# Altium PCB Flow_Pump.PcbDoc (part 3 of 5) (continued)
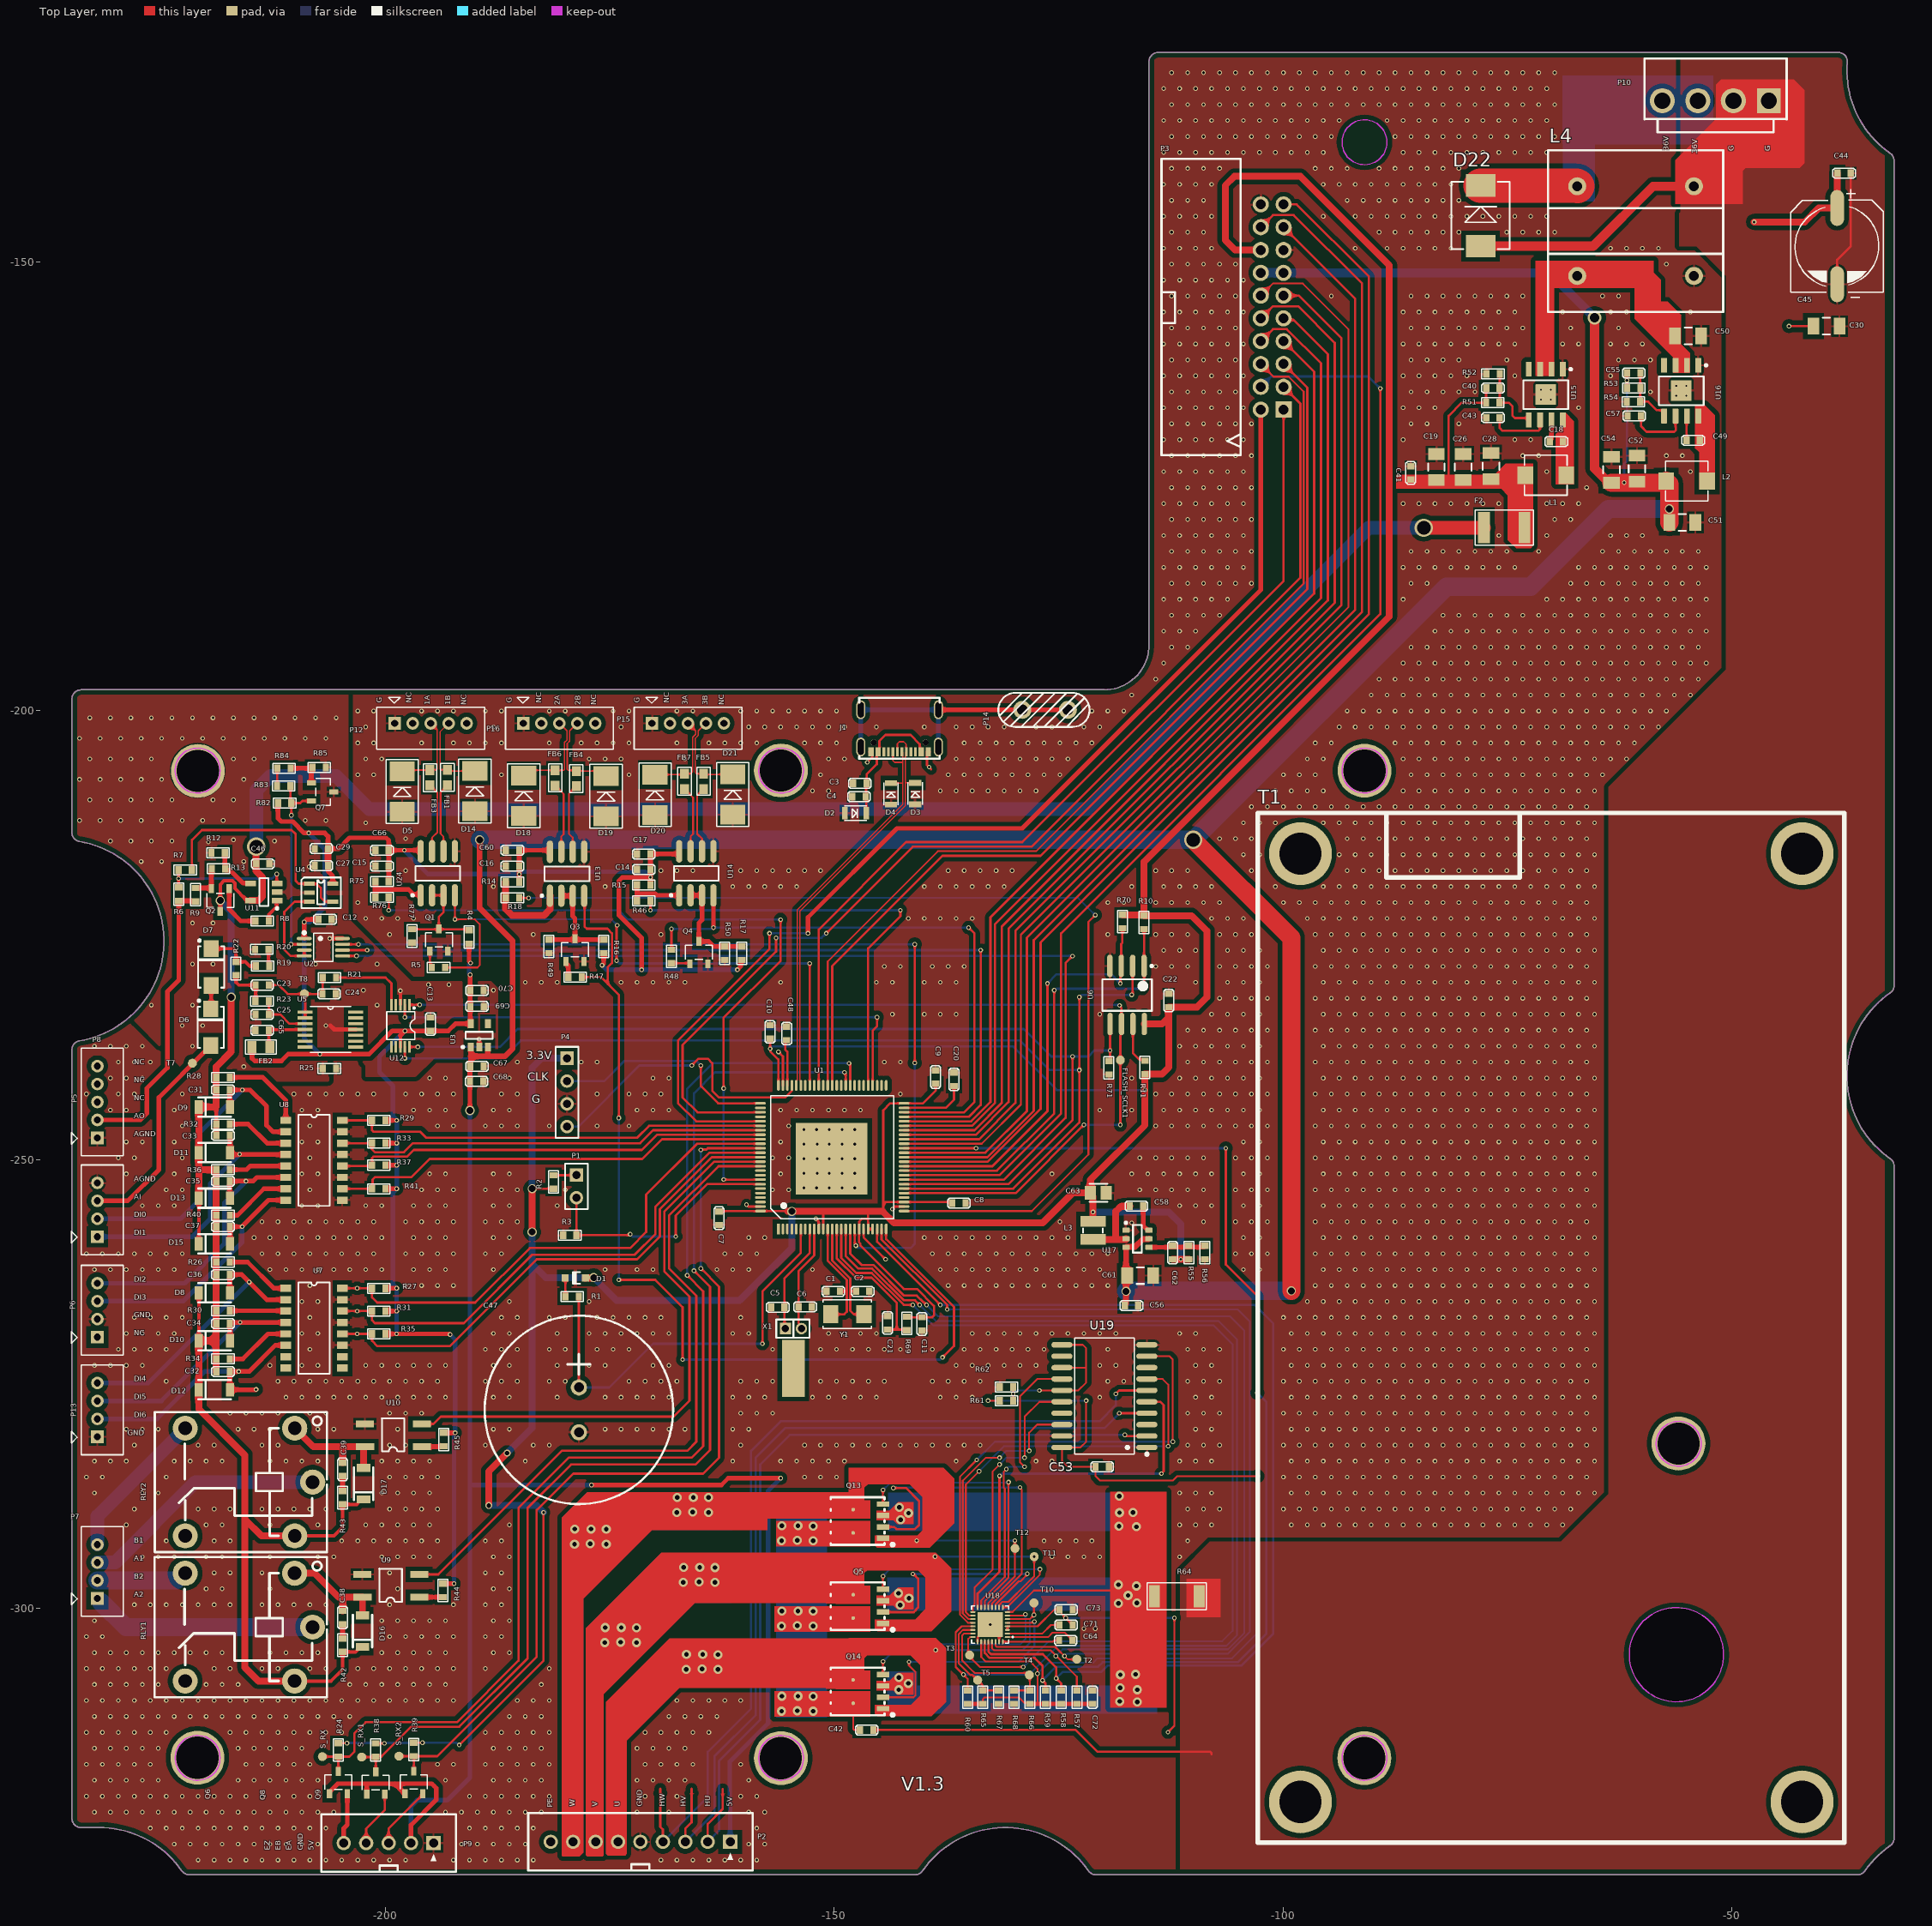
[diagram p0: Top Layer view]
## Nets (pads, with @x,y where several pads share a name; then routed paths per layer and width w, separated by ;. In a path a pad name is that pad's centre, name@x,y a point inside that pad or via, vN(x,y) a via of type N, cw(c..) or ccw(c..) an arc to the next point about the centre after c; other vN are vias at no path point) (continued)
-126.619,-260.477 -124.841,-260.477 -123.063,-260.477 -121.285,-260.477 -119.507,-260.477 -105.283,-260.477 -103.505,-260.477 -101.727,-260.477 -96.393,-260.477 -94.615,-260.477 -92.837,-260.477 -91.059,-260.477 -89.281,-260.477 -87.503,-260.477 -85.725,-260.477 -83.947,-260.477 -82.169,-260.477 -80.391,-260.477 -78.613,-260.477 -76.835,-260.477 -75.057,-260.477 -73.279,-260.477 -71.501,-260.477 -69.723,-260.477 -67.945,-260.477 -66.167,-260.477 -214.63,-258.699 -212.852,-258.699 -211.074,-258.699 -209.296,-258.699 -207.518,-258.699 -205.74,-258.699 -203.962,-258.699 -202.184,-258.699 -200.406,-258.699 -196.85,-258.699 -195.072,-258.699 -193.294,-258.699 -187.96,-258.699 -186.182,-258.699 -159.512,-258.699 -157.734,-258.699 -139.954,-258.699 -138.176,-258.699 -136.398,-258.699 -134.62,-258.699 -132.842,-258.699 -131.064,-258.699 -129.286,-258.699 -127.508,-258.699 -125.73,-258.699 -123.952,-258.699 -104.394,-258.699 -102.616,-258.699 -95.504,-258.699 -93.726,-258.699 -91.948,-258.699 -90.17,-258.699 -88.392,-258.699 -86.614,-258.699 -84.836,-258.699 -83.058,-258.699 -81.28,-258.699 -79.502,-258.699 -77.724,-258.699 -75.946,-258.699 -74.168,-258.699 -72.39,-258.699 -70.612,-258.699 -68.834,-258.699 -67.056,-258.699 -65.278,-258.699 -116.84,-257.048 -213.741,-256.921 -211.963,-256.921 -210.185,-256.921 -208.407,-256.921 -206.629,-256.921 -204.851,-256.921 -203.073,-256.921 -201.295,-256.921 -197.739,-256.921 -195.961,-256.921 -194.183,-256.921 -192.405,-256.921 -188.849,-256.921 -187.071,-256.921 -185.293,-256.921 -124.841,-256.921 -108.839,-256.921 -105.283,-256.921 -103.505,-256.921 -101.727,-256.921 -96.393,-256.921 -94.615,-256.921 -92.837,-256.921 -91.059,-256.921 -89.281,-256.921 -87.503,-256.921 -85.725,-256.921 -83.947,-256.921 -82.169,-256.921 -80.391,-256.921 -78.613,-256.921 -76.835,-256.921 -75.057,-256.921 -73.279,-256.921 -71.501,-256.921 -69.723,-256.921 -67.945,-256.921 -66.167,-256.921 -227.076,-255.143 -225.298,-255.143 -223.52,-255.143 -209.296,-255.143 -207.518,-255.143 -202.184,-255.143 -200.406,-255.143 -196.85,-255.143 -195.072,-255.143 -193.294,-255.143 -187.96,-255.143 -186.182,-255.143 -180.848,-255.143 -111.506,-255.143 -109.728,-255.143 -107.95,-255.143 -104.394,-255.143 -102.616,-255.143 -95.504,-255.143 -93.726,-255.143 -91.948,-255.143 -90.17,-255.143 -88.392,-255.143 -86.614,-255.143 -84.836,-255.143 -83.058,-255.143 -81.28,-255.143 -79.502,-255.143 -77.724,-255.143 -75.946,-255.143 -74.168,-255.143 -72.39,-255.143 -70.612,-255.143 -68.834,-255.143 -67.056,-255.143 -65.278,-255.143 -224.409,-253.365 -222.631,-253.365 -208.407,-253.365 -195.961,-253.365 -194.183,-253.365 -192.405,-253.365 -188.849,-253.365 -187.071,-253.365 -185.293,-253.365 -179.959,-253.365 -156.845,-253.365 -155.067,-253.365 -115.951,-253.365 -114.173,-253.365 -112.395,-253.365 -110.617,-253.365 -108.839,-253.365 -105.283,-253.365 -103.505,-253.365 -101.727,-253.365 -96.393,-253.365 -94.615,-253.365 -92.837,-253.365 -91.059,-253.365 -89.281,-253.365 -87.503,-253.365 -85.725,-253.365 -83.947,-253.365 -82.169,-253.365 -80.391,-253.365 -78.613,-253.365 -76.835,-253.365 -75.057,-253.365 -73.279,-253.365 -71.501,-253.365 -69.723,-253.365 -67.945,-253.365 -66.167,-253.365 -228.854,-251.587 -223.52,-251.587 -209.296,-251.587 -207.518,-251.587 -195.072,-251.587 -193.294,-251.587 -187.96,-251.587 -186.182,-251.587 -155.956,-251.587 -125.73,-251.587 -116.84,-251.587 -115.062,-251.587 -113.284,-251.587 -111.506,-251.587 -109.728,-251.587 -107.95,-251.587 -104.394,-251.587 -102.616,-251.587 -95.504,-251.587 -93.726,-251.587 -91.948,-251.587 -90.17,-251.587 -88.392,-251.587 -86.614,-251.587 -84.836,-251.587 -83.058,-251.587 -81.28,-251.587 -79.502,-251.587 -77.724,-251.587 -75.946,-251.587 -74.168,-251.587 -72.39,-251.587 -70.612,-251.587 -68.834,-251.587 -67.056,-251.587 -65.278,-251.587 -229.743,-249.809 -227.965,-249.809 -222.631,-249.809 -208.407,-249.809 -156.845,-249.809 -155.067,-249.809 -115.951,-249.809 -114.173,-249.809 -112.395,-249.809 -110.617,-249.809 -108.839,-249.809 -105.283,-249.809 -103.505,-249.809 -101.727,-249.809 -96.393,-249.809 -94.615,-249.809 -92.837,-249.809 -91.059,-249.809 -89.281,-249.809 -87.503,-249.809 -85.725,-249.809 -83.947,-249.809 -82.169,-249.809 -80.391,-249.809 -78.613,-249.809 -76.835,-249.809 -75.057,-249.809 -73.279,-249.809 -71.501,-249.809 -69.723,-249.809 -67.945,-249.809 -66.167,-249.809 -228.854,-248.031 -227.076,-248.031 -223.52,-248.031 -209.296,-248.031 -207.518,-248.031 -155.956,-248.031 -104.394,-248.031 -102.616,-248.031 -95.504,-248.031 -93.726,-248.031 -91.948,-248.031 -90.17,-248.031 -88.392,-248.031 -86.614,-248.031 -84.836,-248.031 -83.058,-248.031 -81.28,-248.031 -79.502,-248.031 -77.724,-248.031 -75.946,-248.031 -74.168,-248.031 -72.39,-248.031 -70.612,-248.031 -68.834,-248.031 -67.056,-248.031 -65.278,-248.031 -222.631,-246.253 -208.407,-246.253 -194.183,-246.253 -192.405,-246.253 -188.849,-246.253 -187.071,-246.253 -185.293,-246.253 -181.737,-246.253 -176.403,-246.253 -172.847,-246.253 -155.067,-246.253 -114.173,-246.253 -112.395,-246.253 -110.617,-246.253 -108.839,-246.253 -107.061,-246.253 -105.283,-246.253 -103.505,-246.253 -101.727,-246.253 -96.393,-246.253 -94.615,-246.253 -92.837,-246.253 -91.059,-246.253 -89.281,-246.253 -87.503,-246.253 -85.725,-246.253 -83.947,-246.253 -82.169,-246.253 -80.391,-246.253 -78.613,-246.253 -76.835,-246.253 -75.057,-246.253 -73.279,-246.253 -71.501,-246.253 -69.723,-246.253 -67.945,-246.253 -66.167,-246.253 -230.632,-244.475 -228.854,-244.475 -223.52,-244.475 -209.296,-244.475 -207.518,-244.475 -196.85,-244.475 -195.072,-244.475 -193.294,-244.475 -187.96,-244.475 -186.182,-244.475 -171.958,-244.475 -170.18,-244.475 -168.402,-244.475 -155.956,-244.475 -154.178,-244.475 -152.4,-244.475 -150.622,-244.475 -148.844,-244.475 -147.066,-244.475 -120.396,-244.475 -116.84,-244.475 -113.284,-244.475 -111.506,-244.475 -109.728,-244.475 -107.95,-244.475 -106.172,-244.475 -104.394,-244.475 -102.616,-244.475 -95.504,-244.475 -93.726,-244.475 -91.948,-244.475 -90.17,-244.475 -88.392,-244.475 -86.614,-244.475 -84.836,-244.475 -83.058,-244.475 -81.28,-244.475 -79.502,-244.475 -77.724,-244.475 -75.946,-244.475 -74.168,-244.475 -72.39,-244.475 -70.612,-244.475 -68.834,-244.475 -67.056,-244.475 -65.278,-244.475 -233.299,-242.697 -229.743,-242.697 -227.965,-242.697 -222.631,-242.697 -210.185,-242.697 -208.407,-242.697 -206.629,-242.697 -204.851,-242.697 -203.073,-242.697 -201.295,-242.697 -197.739,-242.697 -195.961,-242.697 -194.183,-242.697 -192.405,-242.697 -187.071,-242.697 -185.293,-242.697 -176.403,-242.697 -172.847,-242.697 -171.069,-242.697 -169.291,-242.697 -142.621,-242.697 -114.173,-242.697 -112.395,-242.697 -110.617,-242.697 -108.839,-242.697 -107.061,-242.697 -105.283,-242.697 -103.505,-242.697 -101.727,-242.697 -96.393,-242.697 -94.615,-242.697 -92.837,-242.697 -91.059,-242.697 -89.281,-242.697 -87.503,-242.697 -85.725,-242.697 -83.947,-242.697 -82.169,-242.697 -80.391,-242.697 -78.613,-242.697 -76.835,-242.697 -75.057,-242.697 -73.279,-242.697 -71.501,-242.697 -69.723,-242.697 -67.945,-242.697 -66.167,-242.697 -230.632,-240.919 -228.854,-240.919 -227.076,-240.919 -195.072,-240.919 -193.294,-240.919 -186.182,-240.919 -170.18,-240.919 -168.402,-240.919 -116.84,-240.919 -111.506,-240.919 -109.728,-240.919 -107.95,-240.919 -106.172,-240.919 -104.394,-240.919 -102.616,-240.919 -95.504,-240.919 -93.726,-240.919 -91.948,-240.919 -90.17,-240.919 -88.392,-240.919 -86.614,-240.919 -84.836,-240.919 -83.058,-240.919 -81.28,-240.919 -79.502,-240.919 -77.724,-240.919 -75.946,-240.919 -74.168,-240.919 -72.39,-240.919 -70.612,-240.919 -68.834,-240.919 -67.056,-240.919 -65.278,-240.919 -229.743,-239.141 -227.965,-239.141 -226.187,-239.141 -185.293,-239.141 -178.181,-239.141 -176.403,-239.141 -144.399,-239.141 -142.621,-239.141 -110.617,-239.141 -108.839,-239.141 -107.061,-239.141 -105.283,-239.141 -103.505,-239.141 -101.727,-239.141 -96.393,-239.141 -94.615,-239.141 -92.837,-239.141 -91.059,-239.141 -89.281,-239.141 -87.503,-239.141 -85.725,-239.141 -83.947,-239.141 -82.169,-239.141 -80.391,-239.141 -78.613,-239.141 -76.835,-239.141 -75.057,-239.141 -73.279,-239.141 -71.501,-239.141 -69.723,-239.141 -67.945,-239.141 -66.167,-239.141 -232.41,-237.363 -230.632,-237.363 -228.854,-237.363 -227.076,-237.363 -111.506,-237.363 -109.728,-237.363 -107.95,-237.363 -106.172,-237.363 -104.394,-237.363 -102.616,-237.363 -95.504,-237.363 -93.726,-237.363 -91.948,-237.363 -90.17,-237.363 -88.392,-237.363 -86.614,-237.363 -84.836,-237.363 -83.058,-237.363 -81.28,-237.363 -79.502,-237.363 -77.724,-237.363 -75.946,-237.363 -74.168,-237.363 -72.39,-237.363 -70.612,-237.363 -68.834,-237.363 -67.056,-237.363 -65.278,-237.363 -110.617,-235.585 -108.839,-235.585 -107.061,-235.585 -105.283,-235.585 -103.505,-235.585 -101.727,-235.585 -96.393,-235.585 -94.615,-235.585 -92.837,-235.585 -91.059,-235.585 -89.281,-235.585 -87.503,-235.585 -85.725,-235.585 -83.947,-235.585 -82.169,-235.585 -80.391,-235.585 -78.613,-235.585 -76.835,-235.585 -75.057,-235.585 -73.279,-235.585 -71.501,-235.585 -69.723,-235.585 -67.945,-235.585 -66.167,-235.585 -143.51,-233.807 -139.954,-233.807 -138.176,-233.807 -136.398,-233.807 -120.396,-233.807 -107.95,-233.807 -106.172,-233.807 -104.394,-233.807 -102.616,-233.807 -95.504,-233.807 -93.726,-233.807 -91.948,-233.807 -90.17,-233.807 -88.392,-233.807 -86.614,-233.807 -84.836,-233.807 -83.058,-233.807 -81.28,-233.807 -79.502,-233.807 -77.724,-233.807 -75.946,-233.807 -74.168,-233.807 -72.39,-233.807 -70.612,-233.807 -68.834,-233.807 -67.056,-233.807 -65.278,-233.807 -107.061,-232.029 -105.283,-232.029 -103.505,-232.029 -101.727,-232.029 -96.393,-232.029 -94.615,-232.029 -92.837,-232.029 -91.059,-232.029 -89.281,-232.029 -87.503,-232.029 -85.725,-232.029 -83.947,-232.029 -82.169,-232.029 -80.391,-232.029 -78.613,-232.029 -76.835,-232.029 -75.057,-232.029 -73.279,-232.029 -71.501,-232.029 -69.723,-232.029 -67.945,-232.029 -66.167,-232.029 -184.404,-230.251 -182.626,-230.251 -180.848,-230.251 -173.736,-230.251 -171.958,-230.251 -170.18,-230.251 -168.402,-230.251 -166.624,-230.251 -155.956,-230.251 -145.288,-230.251 -143.51,-230.251 -139.954,-230.251 -138.176,-230.251 -136.398,-230.251 -109.728,-230.251 -106.172,-230.251 -104.394,-230.251 -102.616,-230.251 -95.504,-230.251 -93.726,-230.251 -91.948,-230.251 -90.17,-230.251 -88.392,-230.251 -86.614,-230.251 -84.836,-230.251 -83.058,-230.251 -81.28,-230.251 -79.502,-230.251 -77.724,-230.251 -75.946,-230.251 -74.168,-230.251 -72.39,-230.251 -70.612,-230.251 -68.834,-230.251 -67.056,-230.251 -65.278,-230.251 -144.399,-228.473 -142.621,-228.473 -139.065,-228.473 -137.287,-228.473 -135.509,-228.473 -114.173,-228.473 -112.395,-228.473 -110.617,-228.473 -107.061,-228.473 -105.283,-228.473 -103.505,-228.473 -101.727,-228.473 -96.393,-228.473 -94.615,-228.473 -92.837,-228.473 -91.059,-228.473 -89.281,-228.473 -87.503,-228.473 -85.725,-228.473 -83.947,-228.473 -82.169,-228.473 -80.391,-228.473 -78.613,-228.473 -76.835,-228.473 -75.057,-228.473 -73.279,-228.473 -71.501,-228.473 -69.723,-228.473 -67.945,-228.473 -66.167,-228.473 -113.284,-226.695 -111.506,-226.695 -109.728,-226.695 -106.172,-226.695 -104.394,-226.695 -102.616,-226.695 -95.504,-226.695 -93.726,-226.695 -91.948,-226.695 -90.17,-226.695 -88.392,-226.695 -86.614,-226.695 -84.836,-226.695 -83.058,-226.695 -81.28,-226.695 -79.502,-226.695 -77.724,-226.695 -75.946,-226.695 -74.168,-226.695 -72.39,-226.695 -70.612,-226.695 -68.834,-226.695 -67.056,-226.695 -65.278,-226.695 -199.517,-224.917 -183.515,-224.917 -169.291,-224.917 -119.507,-224.917 -114.173,-224.917 -112.395,-224.917 -110.617,-224.917 -107.061,-224.917 -105.283,-224.917 -103.505,-224.917 -96.393,-224.917 -94.615,-224.917 -92.837,-224.917 -91.059,-224.917 -89.281,-224.917 -87.503,-224.917 -85.725,-224.917 -83.947,-224.917 -82.169,-224.917 -80.391,-224.917 -78.613,-224.917 -76.835,-224.917 -75.057,-224.917 -73.279,-224.917 -71.501,-224.917 -69.723,-224.917 -67.945,-224.917 -66.167,-224.917 -202.184,-223.139 -200.406,-223.139 -198.628,-223.139 -196.85,-223.139 -195.072,-223.139 -141.732,-223.139 -139.954,-223.139 -138.176,-223.139 -136.398,-223.139 -134.62,-223.139 -107.95,-223.139 -106.172,-223.139 -104.394,-223.139 -97.282,-223.139 -95.504,-223.139 -93.726,-223.139 -91.948,-223.139 -90.17,-223.139 -88.392,-223.139 -86.614,-223.139 -84.836,-223.139 -83.058,-223.139 -81.28,-223.139 -79.502,-223.139 -77.724,-223.139 -75.946,-223.139 -74.168,-223.139 -72.39,-223.139 -70.612,-223.139 -68.834,-223.139 -67.056,-223.139 -65.278,-223.139 -203.073,-221.361 -119.507,-221.361 -117.729,-221.361 -114.173,-221.361 -112.395,-221.361 -110.617,-221.361 -108.839,-221.361 -107.061,-221.361 -99.949,-221.361 -98.171,-221.361 -96.393,-221.361 -94.615,-221.361 -92.837,-221.361 -91.059,-221.361 -89.281,-221.361 -87.503,-221.361 -85.725,-221.361 -83.947,-221.361 -82.169,-221.361 -80.391,-221.361 -78.613,-221.361 -76.835,-221.361 -75.057,-221.361 -73.279,-221.361 -71.501,-221.361 -69.723,-221.361 -67.945,-221.361 -66.167,-221.361 -187.96,-219.583 -175.514,-219.583 -161.29,-219.583 -159.512,-219.583 -157.734,-219.583 -155.956,-219.583 -154.178,-219.583 -139.954,-219.583 -138.176,-219.583 -136.398,-219.583 -134.62,-219.583 -132.842,-219.583 -131.064,-219.583 -116.84,-219.583 -113.284,-219.583 -111.506,-219.583 -109.728,-219.583 -107.95,-219.583 -100.838,-219.583 -95.504,-219.583 -93.726,-219.583 -91.948,-219.583 -90.17,-219.583 -88.392,-219.583 -86.614,-219.583 -84.836,-219.583 -83.058,-219.583 -81.28,-219.583 -79.502,-219.583 -77.724,-219.583 -75.946,-219.583 -74.168,-219.583 -72.39,-219.583 -70.612,-219.583 -68.834,-219.583 -67.056,-219.583 -65.278,-219.583 -197.739,-217.805 -169.291,-217.805 -167.513,-217.805 -165.735,-217.805 -160.401,-217.805 -158.623,-217.805 -156.845,-217.805 -155.067,-217.805 -153.289,-217.805 -151.511,-217.805 -137.287,-217.805 -135.509,-217.805 -133.731,-217.805 -131.953,-217.805 -130.175,-217.805 -114.173,-217.805 -112.395,-217.805 -110.617,-217.805 -103.505,-217.805 -92.837,-217.805 -91.059,-217.805 -89.281,-217.805 -87.503,-217.805 -85.725,-217.805 -83.947,-217.805 -82.169,-217.805 -80.391,-217.805 -78.613,-217.805 -76.835,-217.805 -75.057,-217.805 -73.279,-217.805 -71.501,-217.805 -69.723,-217.805 -67.945,-217.805 -66.167,-217.805 -104.394,-216.027 -102.616,-216.027 -93.726,-216.027 -91.948,-216.027 -90.17,-216.027 -88.392,-216.027 -86.614,-216.027 -84.836,-216.027 -83.058,-216.027 -81.28,-216.027 -79.502,-216.027 -77.724,-216.027 -75.946,-216.027 -74.168,-216.027 -72.39,-216.027 -70.612,-216.027 -68.834,-216.027 -67.056,-216.027 -65.278,-216.027 -197.739,-214.249 -107.061,-214.249 -105.283,-214.249 -103.505,-214.249 -92.837,-214.249 -91.059,-214.249 -89.281,-214.249 -87.503,-214.249 -85.725,-214.249 -83.947,-214.249 -82.169,-214.249 -80.391,-214.249 -78.613,-214.249 -76.835,-214.249 -75.057,-214.249 -73.279,-214.249 -71.501,-214.249 -69.723,-214.249 -67.945,-214.249 -66.167,-214.249 -202.184,-212.471 -104.394,-212.471 -102.616,-212.471 -100.838,-212.471 -95.504,-212.471 -93.726,-212.471 -91.948,-212.471 -90.17,-212.471 -88.392,-212.471 -86.614,-212.471 -84.836,-212.471 -83.058,-212.471 -81.28,-212.471 -79.502,-212.471 -77.724,-212.471 -75.946,-212.471 -74.168,-212.471 -72.39,-212.471 -70.612,-212.471 -68.834,-212.471 -67.056,-212.471 -65.278,-212.471 -103.505,-210.693 -101.727,-210.693 -99.949,-210.693 -98.171,-210.693 -96.393,-210.693 -94.615,-210.693 -92.837,-210.693 -91.059,-210.693 -89.281,-210.693 -87.503,-210.693 -85.725,-210.693 -83.947,-210.693 -82.169,-210.693 -80.391,-210.693 -78.613,-210.693 -76.835,-210.693 -75.057,-210.693 -73.279,-210.693 -71.501,-210.693 -69.723,-210.693 -67.945,-210.693 -66.167,-210.693 -152.4,-208.915 -150.622,-208.915 -138.176,-208.915 -136.398,-208.915 -134.62,-208.915 -132.842,-208.915 -131.064,-208.915 -129.286,-208.915 -127.508,-208.915 -100.838,-208.915 -99.06,-208.915 -97.282,-208.915 -95.504,-208.915 -86.614,-208.915 -84.836,-208.915 -83.058,-208.915 -81.28,-208.915 -79.502,-208.915 -77.724,-208.915 -75.946,-208.915 -74.168,-208.915 -72.39,-208.915 -70.612,-208.915 -68.834,-208.915 -67.056,-208.915 -65.278,-208.915 -203.073,-207.137 -201.295,-207.137 -187.071,-207.137 -172.847,-207.137 -151.511,-207.137 -137.287,-207.137 -135.509,-207.137 -133.731,-207.137 -131.953,-207.137 -130.175,-207.137 -128.397,-207.137 -126.619,-207.137 -124.841,-207.137 -99.949,-207.137 -98.171,-207.137 -96.393,-207.137 -85.725,-207.137 -83.947,-207.137 -82.169,-207.137 -80.391,-207.137 -78.613,-207.137 -76.835,-207.137 -75.057,-207.137 -73.279,-207.137 -71.501,-207.137 -69.723,-207.137 -67.945,-207.137 -66.167,-207.137 -64.389,-207.137 -139.421,-206.273 -202.184,-205.359 -200.406,-205.359 -177.292,-205.359 -175.514,-205.359 -173.736,-205.359 -166.624,-205.359 -150.622,-205.359 -148.844,-205.359 -136.398,-205.359 -134.62,-205.359 -132.842,-205.359 -131.064,-205.359 -129.286,-205.359 -127.508,-205.359 -125.73,-205.359 -123.952,-205.359 -97.282,-205.359 -95.504,-205.359 -86.614,-205.359 -84.836,-205.359 -83.058,-205.359 -81.28,-205.359 -79.502,-205.359 -77.724,-205.359 -75.946,-205.359 -74.168,-205.359 -72.39,-205.359 -70.612,-205.359 -68.834,-205.359 -67.056,-205.359 -65.278,-205.359 -63.5,-205.359 -61.722,-205.359 -203.073,-203.581 -201.295,-203.581 -195.961,-203.581 -192.405,-203.581 -190.627,-203.581 -188.849,-203.581 -187.071,-203.581 -181.737,-203.581 -178.181,-203.581 -176.403,-203.581 -174.625,-203.581 -172.847,-203.581 -167.513,-203.581 -163.957,-203.581 -162.179,-203.581 -160.401,-203.581 -158.623,-203.581 -153.289,-203.581 -151.511,-203.581 -149.733,-203.581 -135.509,-203.581 -133.731,-203.581 -131.953,-203.581 -130.175,-203.581 -128.397,-203.581 -126.619,-203.581 -124.841,-203.581 -123.063,-203.581 -121.285,-203.581 -96.393,-203.581 -94.615,-203.581 -87.503,-203.581 -85.725,-203.581 -83.947,-203.581 -82.169,-203.581 -80.391,-203.581 -78.613,-203.581 -76.835,-203.581 -75.057,-203.581 -73.279,-203.581 -71.501,-203.581 -69.723,-203.581 -67.945,-203.581 -66.167,-203.581 -64.389,-203.581 -62.611,-203.581 -60.833,-203.581 -202.184,-201.803 -187.96,-201.803 -173.736,-201.803 -159.512,-201.803 -157.734,-201.803 -155.956,-201.803 -154.178,-201.803 -152.4,-201.803 -150.622,-201.803 -148.844,-201.803 -145.288,-201.803 -139.954,-201.803 -136.398,-201.803 -134.62,-201.803 -132.842,-201.803 -131.064,-201.803 -127.508,-201.803 -125.73,-201.803 -122.174,-201.803 -120.396,-201.803 -93.726,-201.803 -91.948,-201.803 -90.17,-201.803 -88.392,-201.803 -86.614,-201.803 -84.836,-201.803 -83.058,-201.803 -81.28,-201.803 -79.502,-201.803 -77.724,-201.803 -75.946,-201.803 -74.168,-201.803 -72.39,-201.803 -70.612,-201.803 -68.834,-201.803 -67.056,-201.803 -65.278,-201.803 -63.5,-201.803 -61.722,-201.803 -59.944,-201.803 -58.166,-201.803 -203.073,-200.025 -201.295,-200.025 -195.961,-200.025 -194.183,-200.025 -192.405,-200.025 -188.849,-200.025 -187.071,-200.025 -181.737,-200.025 -179.959,-200.025 -174.625,-200.025 -172.847,-200.025 -167.513,-200.025 -165.735,-200.025 -160.401,-200.025 -158.623,-200.025 -156.845,-200.025 -155.067,-200.025 -153.289,-200.025 -151.511,-200.025 -149.733,-200.025 -121.285,-200.025 -119.507,-200.025 -117.729,-200.025 -92.837,-200.025 -91.059,-200.025 -89.281,-200.025 -87.503,-200.025 -85.725,-200.025 -83.947,-200.025 -82.169,-200.025 -80.391,-200.025 -78.613,-200.025 -76.835,-200.025 -75.057,-200.025 -73.279,-200.025 -71.501,-200.025 -69.723,-200.025 -67.945,-200.025 -66.167,-200.025 -64.389,-200.025 -62.611,-200.025 -60.833,-200.025 -59.055,-200.025 -57.277,-200.025 -116.84,-198.247 -90.17,-198.247 -88.392,-198.247 -86.614,-198.247 -84.836,-198.247 -83.058,-198.247 -81.28,-198.247 -79.502,-198.247 -77.724,-198.247 -75.946,-198.247 -74.168,-198.247 -72.39,-198.247 -70.612,-198.247 -68.834,-198.247 -67.056,-198.247 -65.278,-198.247 -63.5,-198.247 -61.722,-198.247 -59.944,-198.247 -58.166,-198.247 -56.388,-198.247 -54.61,-198.247 -114.173,-196.469 -89.281,-196.469 -87.503,-196.469 -85.725,-196.469 -83.947,-196.469 -82.169,-196.469 -80.391,-196.469 -78.613,-196.469 -76.835,-196.469 -75.057,-196.469 -73.279,-196.469 -71.501,-196.469 -69.723,-196.469 -67.945,-196.469 -66.167,-196.469 -64.389,-196.469 -62.611,-196.469 -60.833,-196.469 -59.055,-196.469 -57.277,-196.469 -55.499,-196.469 -53.721,-196.469 -113.284,-194.691 -86.614,-194.691 -84.836,-194.691 -83.058,-194.691 -81.28,-194.691 -79.502,-194.691 -77.724,-194.691 -75.946,-194.691 -74.168,-194.691 -72.39,-194.691 -70.612,-194.691 -68.834,-194.691 -67.056,-194.691 -65.278,-194.691 -63.5,-194.691 -61.722,-194.691 -59.944,-194.691 -58.166,-194.691 -56.388,-194.691 -54.61,-194.691 -52.832,-194.691 -112.395,-192.913 -110.617,-192.913 -85.725,-192.913 -83.947,-192.913 -82.169,-192.913 -80.391,-192.913 -78.613,-192.913 -76.835,-192.913 -75.057,-192.913 -73.279,-192.913 -71.501,-192.913 -69.723,-192.913 -67.945,-192.913 -66.167,-192.913 -64.389,-192.913 -62.611,-192.913 -60.833,-192.913 -59.055,-192.913 -57.277,-192.913 -55.499,-192.913 -53.721,-192.913 -113.284,-191.135 -111.506,-191.135 -109.728,-191.135 -83.058,-191.135 -81.28,-191.135 -79.502,-191.135 -77.724,-191.135 -75.946,-191.135 -74.168,-191.135 -72.39,-191.135 -70.612,-191.135 -68.834,-191.135 -67.056,-191.135 -65.278,-191.135 -63.5,-191.135 -61.722,-191.135 -59.944,-191.135 -58.166,-191.135 -56.388,-191.135 -54.61,-191.135 -52.832,-191.135 -112.395,-189.357 -110.617,-189.357 -108.839,-189.357 -107.061,-189.357 -82.169,-189.357 -80.391,-189.357 -78.613,-189.357 -76.835,-189.357 -75.057,-189.357 -73.279,-189.357 -71.501,-189.357 -69.723,-189.357 -67.945,-189.357 -66.167,-189.357 -64.389,-189.357 -62.611,-189.357 -60.833,-189.357 -59.055,-189.357 -57.277,-189.357 -55.499,-189.357 -53.721,-189.357 -113.284,-187.579 -111.506,-187.579 -109.728,-187.579 -107.95,-187.579 -106.172,-187.579 -86.614,-187.579 -70.612,-187.579 -68.834,-187.579 -67.056,-187.579 -65.278,-187.579 -63.5,-187.579 -61.722,-187.579 -59.944,-187.579 -58.166,-187.579 -56.388,-187.579 -54.61,-187.579 -52.832,-187.579 -112.395,-185.801 -110.617,-185.801 -108.839,-185.801 -107.061,-185.801 -105.283,-185.801 -103.505,-185.801 -85.725,-185.801 -83.947,-185.801 -67.945,-185.801 -66.167,-185.801 -64.389,-185.801 -62.611,-185.801 -60.833,-185.801 -59.055,-185.801 -57.277,-185.801 -55.499,-185.801 -53.721,-185.801 -113.284,-184.023 -111.506,-184.023 -109.728,-184.023 -107.95,-184.023 -106.172,-184.023 -104.394,-184.023 -86.614,-184.023 -84.836,-184.023 -83.058,-184.023 -81.28,-184.023 -79.502,-184.023 -77.724,-184.023 -75.946,-184.023 -74.168,-184.023 -67.056,-184.023 -65.278,-184.023 -63.5,-184.023 -61.722,-184.023 -59.944,-184.023 -58.166,-184.023 -56.388,-184.023 -54.61,-184.023 -52.832,-184.023 -112.395,-182.245 -110.617,-182.245 -108.839,-182.245 -107.061,-182.245 -105.283,-182.245 -103.505,-182.245 -85.725,-182.245 -83.947,-182.245 -82.169,-182.245 -80.391,-182.245 -78.613,-182.245 -76.835,-182.245 -75.057,-182.245 -71.501,-182.245 -64.389,-182.245 -62.611,-182.245 -60.833,-182.245 -59.055,-182.245 -57.277,-182.245 -55.499,-182.245 -53.721,-182.245 -113.284,-180.467 -111.506,-180.467 -109.728,-180.467 -107.95,-180.467 -106.172,-180.467 -104.394,-180.467 -75.946,-180.467 -70.612,-180.467 -63.5,-180.467 -61.722,-180.467 -59.944,-180.467 -112.395,-178.689 -110.617,-178.689 -108.839,-178.689 -107.061,-178.689 -105.283,-178.689 -103.505,-178.689 -69.723,-178.689 -67.945,-178.689 -113.284,-176.911 -111.506,-176.911 -109.728,-176.911 -107.95,-176.911 -106.172,-176.911 -104.394,-176.911 -86.614,-176.911 -84.836,-176.911 -83.058,-176.911 -81.28,-176.911 -79.502,-176.911 -77.724,-176.911 -75.946,-176.911 -70.612,-176.911 -68.834,-176.911 -67.056,-176.911 -112.395,-175.133 -110.617,-175.133 -108.839,-175.133 -107.061,-175.133 -105.283,-175.133 -103.505,-175.133 -66.167,-175.133 -113.284,-173.355 -111.506,-173.355 -109.728,-173.355 -107.95,-173.355 -106.172,-173.355 -104.394,-173.355 -70.612,-173.355 -54.61,-173.355 -112.395,-171.577 -110.617,-171.577 -108.839,-171.577 -107.061,-171.577 -105.283,-171.577 -103.505,-171.577 -73.279,-171.577 -71.501,-171.577 -57.277,-171.577 -55.499,-171.577 -113.284,-169.799 -111.506,-169.799 -109.728,-169.799 -107.95,-169.799 -106.172,-169.799 -104.394,-169.799 -86.614,-169.799 -74.168,-169.799 -72.39,-169.799 -112.395,-168.021 -110.617,-168.021 -108.839,-168.021 -107.061,-168.021 -105.283,-168.021 -103.505,-168.021 -85.725,-168.021 -83.947,-168.021 -80.391,-168.021 -113.284,-166.243 -111.506,-166.243 -109.728,-166.243 -107.95,-166.243 -106.172,-166.243 -104.394,-166.243 -86.614,-166.243 -84.836,-166.243 -83.058,-166.243 -67.056,-166.243 -112.395,-164.465 -110.617,-164.465 -108.839,-164.465 -107.061,-164.465 -105.283,-164.465 -85.725,-164.465 -83.947,-164.465 -82.169,-164.465 -80.391,-164.465 -78.613,-164.465 -59.055,-164.465 -113.284,-162.687 -111.506,-162.687 -109.728,-162.687 -107.95,-162.687 -106.172,-162.687 -104.394,-162.687 -86.614,-162.687 -84.836,-162.687 -83.058,-162.687 -81.28,-162.687 -79.502,-162.687 -74.168,-162.687 -63.5,-162.687 -112.395,-160.909 -110.617,-160.909 -108.839,-160.909 -107.061,-160.909 -105.283,-160.909 -85.725,-160.909 -83.947,-160.909 -82.169,-160.909 -80.391,-160.909 -75.057,-160.909 -62.611,-160.909 -60.833,-160.909 -59.055,-160.909 -113.284,-159.131 -111.506,-159.131 -109.728,-159.131 -107.95,-159.131 -106.172,-159.131 -104.394,-159.131 -86.614,-159.131 -84.836,-159.131 -83.058,-159.131 -81.28,-159.131 -79.502,-159.131 -77.724,-159.131 -75.946,-159.131 -74.168,-159.131 -68.834,-159.131 -67.056,-159.131 -63.5,-159.131 -61.722,-159.131 -59.944,-159.131 -112.395,-157.353 -110.617,-157.353 -108.839,-157.353 -107.061,-157.353 -105.283,-157.353 -85.725,-157.353 -83.947,-157.353 -82.169,-157.353 -80.391,-157.353 -78.613,-157.353 -76.835,-157.353 -75.057,-157.353 -73.279,-157.353 -67.945,-157.353 -62.611,-157.353 -113.284,-155.575 -111.506,-155.575 -109.728,-155.575 -107.95,-155.575 -106.172,-155.575 -104.394,-155.575 -86.614,-155.575 -84.836,-155.575 -83.058,-155.575 -81.28,-155.575 -79.502,-155.575 -77.724,-155.575 -75.946,-155.575 -74.168,-155.575 -68.834,-155.575 -63.5,-155.575 -61.722,-155.575 -54.61,-155.575 -112.395,-153.797 -110.617,-153.797 -108.839,-153.797 -107.061,-153.797 -105.283,-153.797 -94.615,-153.797 -85.725,-153.797 -83.947,-153.797 -82.169,-153.797 -80.391,-153.797 -78.613,-153.797 -76.835,-153.797 -75.057,-153.797 -73.279,-153.797 -64.389,-153.797 -62.611,-153.797 -113.284,-152.019 -111.506,-152.019 -109.728,-152.019 -107.95,-152.019 -106.172,-152.019 -104.394,-152.019 -112.395,-150.241 -110.617,-150.241 -108.839,-150.241 -107.061,-150.241 -105.283,-150.241 -57.277,-150.241 -113.284,-148.463 -111.506,-148.463 -109.728,-148.463 -107.95,-148.463 -91.948,-148.463 -88.392,-148.463 -86.614,-148.463 -84.836,-148.463 -83.058,-148.463 -81.28,-148.463 -63.5,-148.463 -61.722,-148.463 -59.944,-148.463 -58.166,-148.463 -112.395,-146.685 -110.617,-146.685 -108.839,-146.685 -89.281,-146.685 -87.503,-146.685 -85.725,-146.685 -83.947,-146.685 -82.169,-146.685 -80.391,-146.685 -75.057,-146.685 -73.279,-146.685 -71.501,-146.685 -69.723,-146.685 -113.284,-144.907 -111.506,-144.907 -109.728,-144.907 -107.95,-144.907 -95.504,-144.907 -91.948,-144.907 -90.17,-144.907 -88.392,-144.907 -86.614,-144.907 -84.836,-144.907 -83.058,-144.907 -81.28,-144.907 -79.502,-144.907 -77.724,-144.907 -75.946,-144.907 -74.168,-144.907 -72.39,-144.907 -70.612,-144.907 -112.395,-143.129 -110.617,-143.129 -108.839,-143.129 -92.837,-143.129 -91.059,-143.129 -89.281,-143.129 -87.503,-143.129 -85.725,-143.129 -83.947,-143.129 -82.169,-143.129 -80.391,-143.129 -113.284,-141.351 -111.506,-141.351 -109.728,-141.351 -107.95,-141.351 -95.504,-141.351 -93.726,-141.351 -91.948,-141.351 -90.17,-141.351 -88.392,-141.351 -86.614,-141.351 -84.836,-141.351 -83.058,-141.351 -81.28,-141.351 -112.395,-139.573 -110.617,-139.573 -108.839,-139.573 -107.061,-139.573 -96.393,-139.573 -94.615,-139.573 -92.837,-139.573 -89.281,-139.573